# Allegro board reServer J2032_V1.brd (continued)
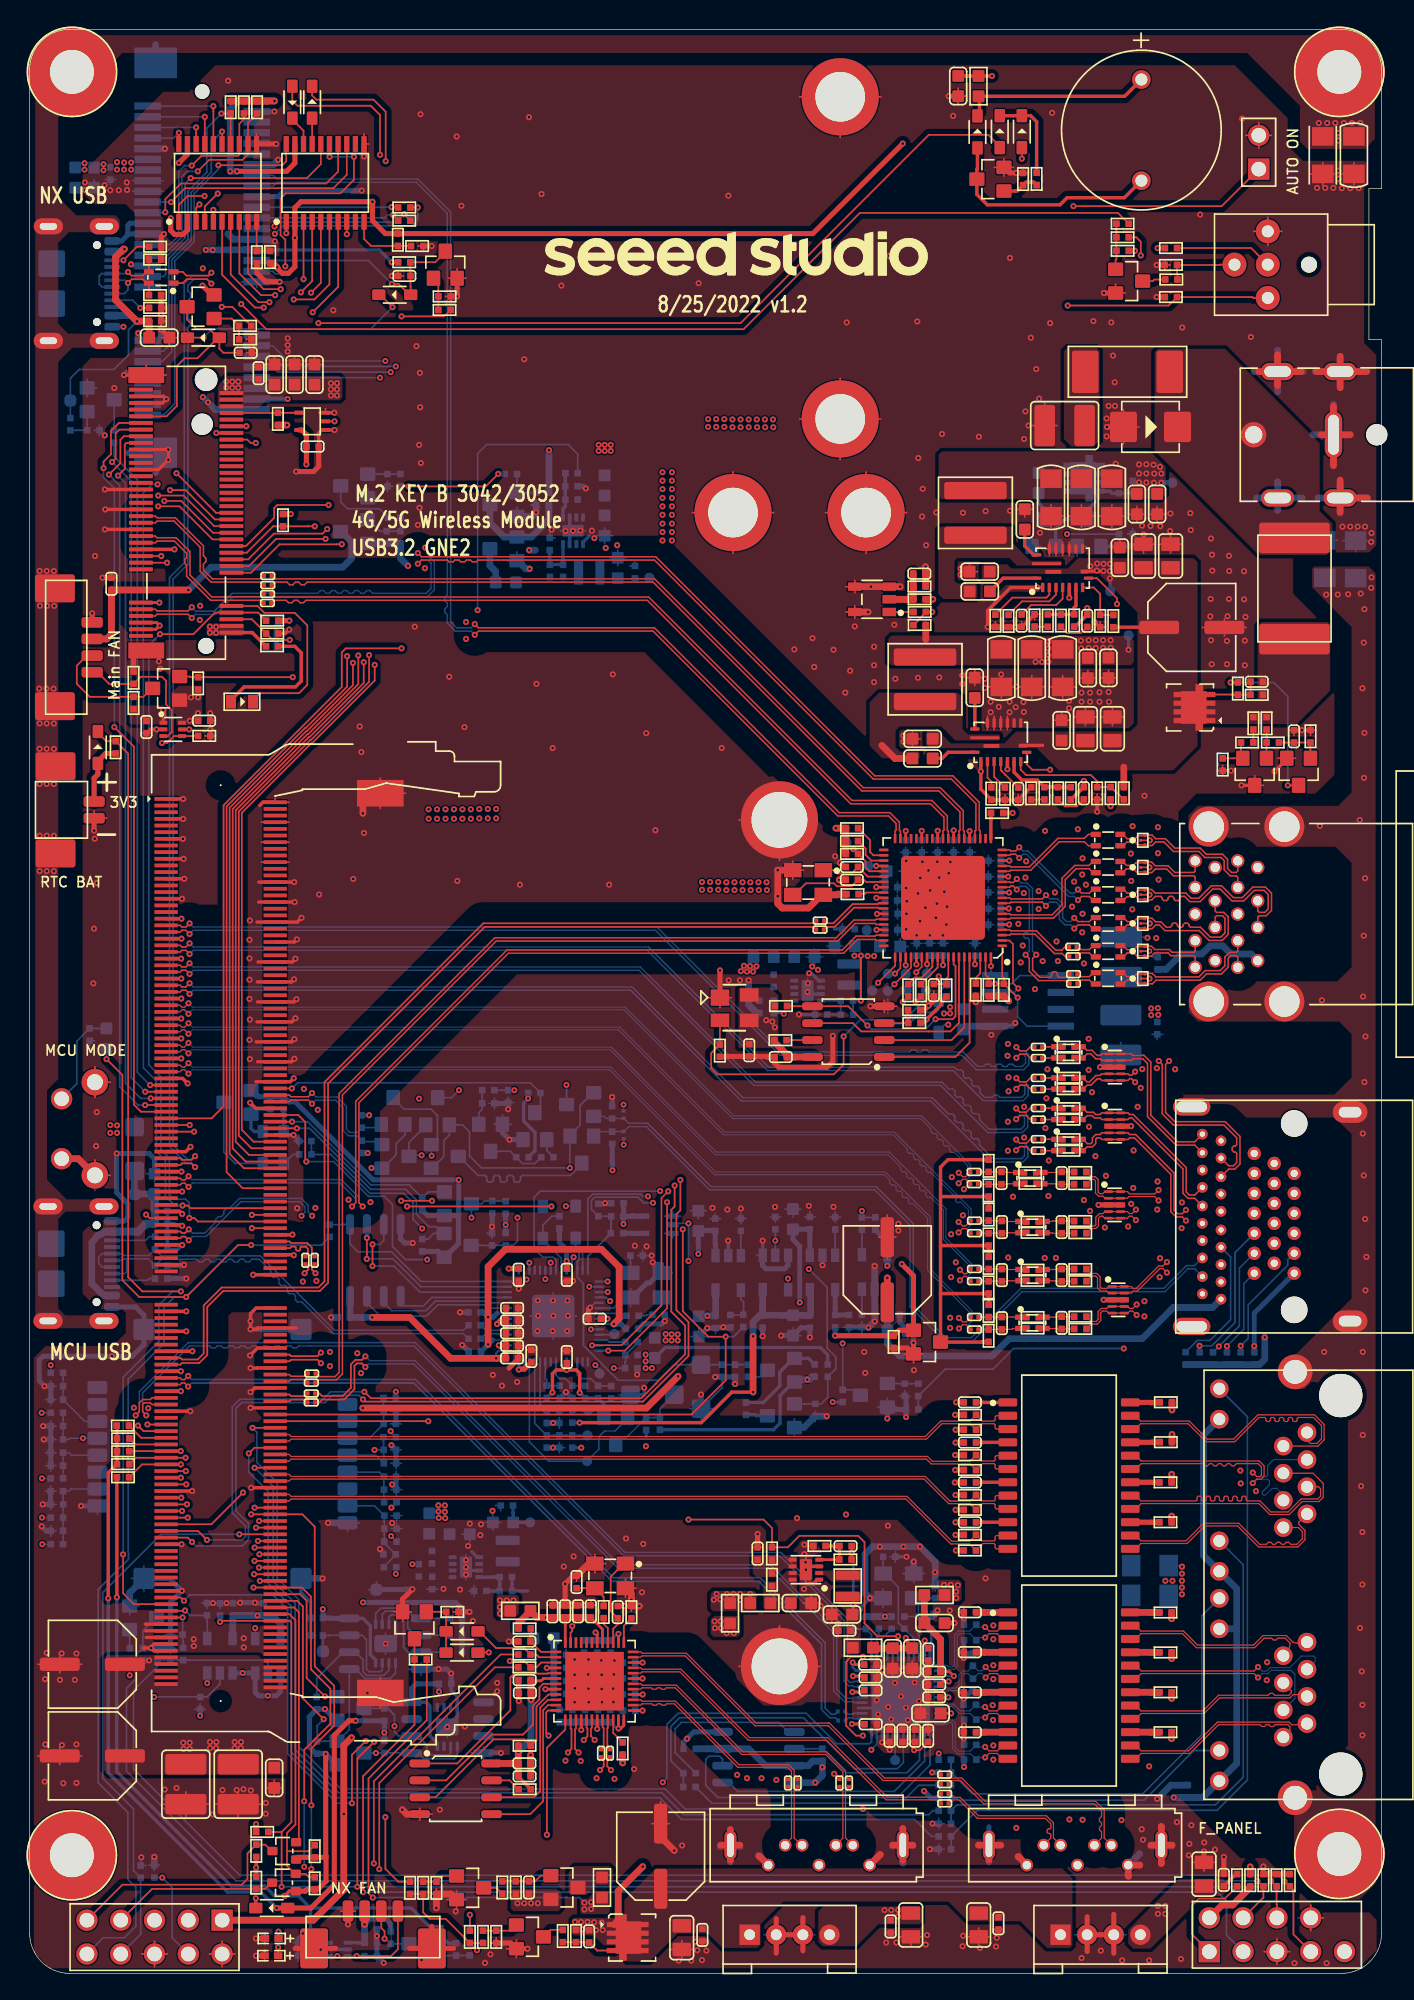
[diagram p0: board, top side]
## Routing (per net, layer and track width the routed paths; a pad name or vN(x,y) marks a point on that pad's centre or on a via; arc(x,y) is an arc through that point) (continued)
  TOP w0.127: v1(27.21,126.93) 27.72,126.93 28.54,126.12 D44.1 28.64,126.71 28.62,126.72 C252.2 28.62,127.97 28.61,127.98 R227.2 30.47,128.56 31.24,129.32 Q32.3
  BOTTOM w0.127: J16.22 25.46,128.69 v1(27.21,126.93)
PCIE_SCL_CON: length 10.9
  TOP w0.127: R228.1 27.3,132.06 v1(27.3,132.12)
  BOTTOM w0.127: J16.30 26.69,131.89 26.92,132.12 v1(27.3,132.12)
PCIE_SDA_CON: length 10.6
  TOP w0.127: R229.1 27.22,132.67 v1(27.2,132.7)
  BOTTOM w0.127: v1(27.2,132.7) 26.82,132.7 26.81,132.69 J16.32
PCIE_SIM_CLK: length 88.3
  LYR3 w0.097: v1(27.52,120.73) v1(27.52,43.71)
  BOTTOM w0.127: R235.1 27.52,43.71 v1(27.52,43.71) ; J16.12 18.25,121.49 19.01,120.73 v1(27.52,120.73)
PCIE_SIM_DIO: length 116.8
  TOP w0.127: v1(26.76,136.15) 26.76,139.86 25.84,140.77 21.54,140.77 21.23,141.09 D84.2
  LYR3 w0.097: v1(26.76,136.15) 26.76,122 27.13,121.63 v1(27.13,120.3) v1(27.13,40.73)
  BOTTOM w0.127: v1(27.13,120.3) 18.64,120.3 18.25,120.69 J16.10 ; R236.1 27.13,40.68 v1(27.13,40.73)
PCIE_SIM_RST: length 97
  LYR3 w0.121: v1(27.18,34.99) 26.73,35.44 v1(26.73,121.14)
  BOTTOM w0.121: R234.1 27.18,35.01 v1(27.18,34.99) ; J16.14 18.25,122.29 19.4,121.14 v1(26.73,121.14)
PCIE_SIM_VDD: length 125.1
  TOP w0.127: D83.1 19.74,140.7 20.13,140.32 25.64,140.32 26.33,139.62 v1(26.33,136.63)
  LYR3 w0.121: v1(26.33,136.63) v1(26.33,119.89) 26.33,33.68 v1(27.16,32.85)
  BOTTOM w0.121: J16.8 v1(26.33,119.89) ; R233.1 27.16,32.85 v1(27.16,32.85)
PCIE_SPI_CS_CON: length 7.8
  TOP w0.127: v1(13.8,140.29) 13.8,139.91 13.81,139.9 U26.16
  BOTTOM w0.127: J16.51 v1(13.8,140.29)
PCIE_SPI_MISO_CON: length 4.9
  TOP w0.127: v1(12.51,138.69) 12.51,138.24 12.51,138.24 U26.18
  BOTTOM w0.127: v1(12.51,138.69) 11.04,138.69 J16.47
PCIE_SPI_MOSI_CON: length 6.3
  TOP w0.127: v1(13.16,139.49) 13.16,138.24 13.16,138.24 U26.17
  BOTTOM w0.127: J16.49 v1(13.16,139.49)
PCIE_SPI_SCLK_CON: length 3.4
  TOP w0.127: U26.20 11.21,137.45 v1(11.21,138.28)
  BOTTOM w0.127: v1(11.21,138.28) 10.81,137.89 J16.45
PCIE_SX1262_RESET_CON: length 1.9
  TOP w0.127: D84.1 21.23,138.66 21.23,138.66 U27.17
PCIE_UART_CTS_CON: length 16.7
  TOP w0.121: R290.2 16.41,139.06 U26.12 16.41,136.66 16,136.25 13.5,136.25 v1(12.63,135.39)
  BOTTOM w0.121: v1(12.63,135.39) 11.85,135.39 11.45,134.99 11.45,130.48 10.05,129.09 J16.23
PCIE_UART_RTS_CON: length 15.7
  TOP w0.121: v1(12.18,135.82) 12.91,136.56 15.66,136.56 15.76,136.66 U26.13 15.76,138.96 16.1,139.3 R289.2
  BOTTOM w0.121: J16.25 10.53,129.89 11.21,130.56 11.21,135.39 11.64,135.82 v1(12.18,135.82)
PCIE_UART_RXD_CON: length 23.8
  TOP w0.127: U26.14 15.11,138.63 R288.2 15.1,139.73 v1(14.41,139.73)
  BOTTOM w0.127: v1(14.41,139.73) 13.32,138.64 13.32,135.32 11.9,133.9 11.9,130.29 10.45,128.84 10.45,122.28 10.05,121.89 J16.13
PCIE_UART_TXD_CON: length 21.2
  TOP w0.127: U26.15 v1(14.46,138.38)
  BOTTOM w0.127: J16.11 9.93,121.09 10.68,121.83 10.68,128.74 12.13,130.19 12.13,133.81 13.65,135.33 13.65,137.57 v1(14.46,138.38)
PCIE_W_DISABLE#CON: length 18.6
  TOP w0.127: v1(24.37,136.48) 24.37,134.75 23.35,133.74 19.24,133.74 18.86,133.36 18.86,132.26 18.86,132.01 18.86,130.6 19.21,130.25 v1(19.21,128.25) ; U27.15 22.54,137.44 v1(22.54,136.48)
  BOTTOM w0.127: v1(24.37,136.48) v1(22.54,136.48) ; v1(19.21,128.25) 19.21,127.87 19.03,127.69 18.45,127.69 18.25,127.89 J16.20
PCIE_WAKE#CON: length 28.2
  TOP w0.127: v1(14.18,135.85) 18.98,135.85 19.28,136.14 U27.20
  BOTTOM w0.121: 13.91,135.27 12.35,133.71 12.35,130.1 10.9,128.65 10.9,117.94 10.05,117.09 J16.1
  BOTTOM w0.127: v1(14.18,135.85) 14.18,135.54 13.91,135.27
PHY_AVDD33: length 60.3
  TOP w0.203: C94.1 62.6,21.14 v1(61.84,21.14) ; 64.59,17.35 64.63,17.31 v1(64.63,16.8) ; 64.59,17.35 C87.1 ; 64.59,17.35 v1(64.07,17.35) ; C93.1 66.53,17.42 v1(66.07,17.42) ; v1(61.88,22.34) 62.63,22.34 C89.1 ; v1(69.04,20.74) 68.45,20.74 C95.1
  BOTTOM w0.127: v1(64.63,16.8) 64.63,17.18 64.47,17.34 U16.33
  BOTTOM w0.203: U16.46 v1(61.88,22.34) ; U16.43 v1(61.84,21.14) ; U16.34 v1(64.07,17.35) ; U16.19 v1(69.04,20.74) ; U16.29 v1(66.07,17.42)
  BOTTOM w0.508: R98.2 63.49,26.81 63.48,26.8 R99.2 ; R98.2 63.82,26.81 R97.2 ; R98.2 v1(64.28,26.81) ; 90.71,25.86 90.71,28.9 J7.R12 88.22,31.39 88.22,40.45 J7.R10 ; 90.71,25.86 90.71,15.76 J7.L12 88.17,13.22 v1(85.99,13.22) 85.99,13.22 D65.2 ; 90.71,25.86 90.69,25.89 J7.L10 ; C103.1 50.91,16.87 50.92,16.87 U15.3 54.04,16.87 55.31,15.6 U15.7 58.51,15.6 58.85,15.95 59.56,15.95 R95.2 59.57,15.49 v1(59.57,15.49) 59.57,14.87 v1(59.04,14.33) U15.8
  vias: v1(51.47,26.45) v1(51.5,25.94) v1(51.93,26.45) v1(51.95,25.94) v1(52.38,25.56) v1(52.92,25.56)
POWER_EN: length 54.6
  TOP w0.127: J5.237 11.64,27.24 11.67,27.27 v1(11.68,27.27)
  LYR3 w0.127: v1(25.69,60.51) 24.72,59.54 20.1,59.54 19.16,58.6 19.16,29.53 18.22,28.58 12.99,28.58 v1(11.68,27.27)
  BOTTOM w0.127: v1(11.68,27.27) 12.05,26.89 R55.1 13.32,26.45 13.34,26.43 U11.4 ; v1(25.69,60.51) 26.45,60.51 Q26.1 26.53,60.49 27.54,61.5 27.54,62.34 28.2,63 Q23.1
PWR_0V95_EN: length 47.1
  TOP w0.127: v1(49.51,34.09) 55.15,34.09 55.79,33.46 R40.1 56.98,32.01 57.84,32.87 62.27,32.87 62.74,32.4 62.74,26.3 63.71,25.33 v1(65.27,25.33)
  LYR3 w0.127: v1(49.51,34.09) 45.22,38.39 45.22,50.2 43.7,51.72 43.7,51.72 v1(43.43,51.98) ; 65.24,25.33 v1(65.27,25.33)
  BOTTOM w0.127: U10.15 v1(43.43,51.98) ; U16.6 v1(65.27,25.33)
PWR_1V05_EN: length 33.1
  LYR3 w0.127: v1(56.68,72.1) 56.68,62.26 54.82,60.41 47.74,60.41 46.47,59.14 v1(46.47,58.38)
  BOTTOM w0.127: R33.1 56.63,72.14 v1(56.68,72.1) ; U10.13 41.55,54.23 41.95,54.62 41.95,58.17 42.32,58.55 45.91,58.55 46.09,58.38 v1(46.47,58.38)
PWR_1V8_EN: length 90.3
  LYR3 w0.127: v1(33.66,102.42) 32.7,102.42 28.79,98.51 28.79,55.56 29.22,55.13 29.22,53.47 29.52,53.17 30.06,53.17 31.1,54.21 41.39,54.21 42.99,52.61 42.99,51.64 v1(43.44,51.18)
  BOTTOM w0.127: R41.1 41.18,114.15 40.47,114.87 34.35,114.87 33.66,114.18 v1(33.66,102.42) ; U10.17 v1(43.44,51.18)
PWR_1V25_EN: length 35.3
  LYR3 w0.127: v1(40.88,53.81) 31.2,53.81 28.76,51.37 v1(28.76,30.74)
  BOTTOM w0.127: v1(40.88,53.81) 40.88,53.78 40.76,53.66 40.76,53.38 40.75,53.38 U10.11 ; v1(28.76,30.74) 29.24,30.74 R32.1
PWR_BTNN: length 298.7
  TOP w0.127: SW1.1 91.96,125.88 91.9,125.94 D15.2 85.6,125.31 v1(78.01,125.31) ; 18.93,10.62 18.93,10.62 v1(18.93,6.51) ; 18.93,10.62 19.67,11.36 19.67,26.34 19.52,26.49 J5.240 14.39,26.49 v1(14.31,26.41) ; 18.93,10.62 18.38,10.62 R92.2 ; v1(93.3,6.94) 93.71,6.54 D12.2 93.71,5.19 93.74,5.16 J4.6 ; v1(24.62,6.51) 24.62,16.14 v1(25.89,17.41) ; v1(39.21,57.62) v1(28.36,57.62)
  LYR3 w0.127: 28.36,57.61 28.36,20.48 25.89,18.02 v1(25.89,17.41) ; 28.36,57.61 28.36,98.64 32.55,102.83 66.73,102.83 67.66,101.89 75.48,101.89 76.54,102.95 76.54,107.91 78.01,109.38 v1(78.01,125.31) ; 28.36,57.61 v1(28.36,57.62)
  BOTTOM w0.127: D5.2 v1(39.21,57.62) ; D21.2 v1(14.31,26.41) ; v1(18.93,6.51) v1(24.62,6.51) 92.87,6.51 v1(93.3,6.94)
PWR_LED: length 5.4
  TOP w0.127: SW1.3 89.46,128.38 89.43,128.35 D14.2 86.23,127.73 86.26,127.7 R82.1
PWR_LED_CTRL: length 184.4
  TOP w0.127: J5.127 9.01,56.74 v1(8.75,57) ; v1(15.9,125.42) 17.79,123.53 53.65,123.53 62.39,132.26 81.79,132.26 R83.1
  LYR3 w0.127: v1(15.9,125.42) 15.22,124.75 12.91,124.75 9,120.83 9,113.57 10.98,111.59 10.98,109.86 9,107.88 9,107.86 8.65,107.5 8.65,68.13 9.53,67.24 9.53,64.19 8.75,63.41 v1(8.75,57) 8.75,45.35 7.52,44.12 v1(7.52,22.39)
  BOTTOM w0.127: R292.1 v1(7.52,22.39)
PWR_LED_H: length 104.5
  TOP w0.127: J4.4 92.72,5.7 D13.2 92.68,6.54 v1(92.27,6.94)
  BOTTOM w0.127: v1(92.27,6.94) 15.53,6.94 7.27,15.2 7.27,21.42 8.01,22.16 8.01,23.94 R291.2 8.51,25.75 9.48,26.72 Q41.3
PWR_LED_R: length 1.7
  TOP w0.127: Q12.3 84.41,127.14 84.53,127.26 R82.2
PWREN0: length 1.2
  TOP w0.127: U17.42 v1(63.62,83.2)
  BOTTOM w0.127: v1(63.62,83.2) 63.04,83.2 TP14.1
QSPI_CE*: length 16
  BOTTOM w0.127: U10.56 29.41,51.98 27.19,54.21 24.67,54.21 24.07,54.81 U9.1 23.58,56.27 23.57,56.26 R51.2
QSPI_SCLK: length 10.4
  BOTTOM w0.127: U9.6 26.61,50.39 27.21,49.79 29.78,49.79 30.49,50.5 34.55,50.5 34.67,50.38 U10.52
QSPI_SD0: length 8.9
  BOTTOM w0.127: U10.53 30.24,50.78 29.6,50.15 28.12,50.15 27.88,50.39 U9.5
QSPI_SD1: length 14
  TOP w0.127: v1(25.34,55.26) 25.34,54.08 25.33,54.07 v1(25.33,53.68)
  BOTTOM w0.127: U9.2 v1(25.34,55.26) ; U10.55 29.41,51.58 27.31,53.68 v1(25.33,53.68)
QSPI_SD2: length 14.7
  TOP w0.127: v1(25.77,54.77) v1(25.77,53.14)
  BOTTOM w0.127: U10.54 29.32,51.18 27.37,53.14 v1(25.77,53.14) ; v1(25.77,54.77) 26.32,54.77 26.61,55.06 U9.3
QSPI_SD3: length 11.9
  BOTTOM w0.127: U9.7 25.34,50.39 26.35,49.38 29.83,49.38 30.67,50.22 34.4,50.22 34.64,49.98 U10.51
REST: length 2.1
  BOTTOM w0.203: R101.1 67.75,24.87 67.67,24.78 U16.12
RJ45A_MX1N: length 14.4
  TOP w0.084: T1.22 83.11,25.12 83.51,25.52 86.63,25.52 87.69,24.47 92.06,24.47 92.78,25.18 93.34,25.18 93.47,25.05 93.67,25.05 93.81,25.18 94.36,25.18 94.75,24.79 94.55,24.06 J7.L2
RJ45A_MX1P: length 14.5
  TOP w0.084: T1.23 83.11,26.12 83.52,25.72 86.72,25.72 87.77,24.67 91.98,24.67 92.69,25.38 94.44,25.38 94.93,24.89 95.66,24.69 J7.L1
RJ45A_MX2N: length 16.1
  TOP w0.084: v1(92.31,22.23) 92.02,22.52 83.54,22.52 83.14,22.12 T1.19
  BOTTOM w0.084: v1(92.31,22.23) 92.61,22.52 93.06,22.52 93.31,22.77 94.8,22.77 95.09,22.48 95.09,20.66 J7.L6
RJ45A_MX2P: length 15.9
  TOP w0.084: T1.20 83.14,23.12 83.54,22.72 92.02,22.72 v1(92.31,23.02)
  BOTTOM w0.084: J7.L3 96.61,23.46 96.61,23.72 96.5,23.83 95.56,23.83 94.7,22.97 93.23,22.97 92.98,22.72 92.61,22.72 v1(92.31,23.02)
RJ45A_MX3N: length 14.1
  TOP w0.084: T1.16 83.13,19.12 83.53,19.52 88.26,19.52 89.43,20.69 94.71,20.69 94.97,20.95 95.86,20.95 J7.L5
RJ45A_MX3P: length 14
  TOP w0.084: J7.L4 94.83,21.22 94.83,21.09 94.63,20.89 93.56,20.89 93.41,21.04 93.22,21.04 93.08,20.89 89.35,20.89 88.18,19.72 83.52,19.72 83.12,20.12 T1.17
RJ45A_MX4N: length 14.3
  TOP w0.084: J7.L8 94.71,18.24 94.71,18.54 94.57,18.68 93.6,18.68 93.47,18.55 93.26,18.55 93.13,18.68 92.93,18.68 92.8,18.55 92.59,18.55 92.46,18.68 89.35,18.68 87.19,16.52 83.53,16.52 83.13,16.12 T1.13
RJ45A_MX4P: length 14.5
  TOP w0.084: T1.14 83.12,17.12 83.52,16.72 87.11,16.72 89.27,18.88 94.65,18.88 94.85,18.68 95.91,18.68 J7.L7
RJ45B_MX1N: length 20.8
  TOP w0.084: J7.R2 96.82,39.62 97.29,40.08 97.29,41.24 96.56,41.96 92.31,41.96 90.48,40.14 88.5,40.14 87.15,41.49 83.49,41.49 83.09,41.9 T2.23
RJ45B_MX1P: length 20.7
  TOP w0.084: T2.22 83.09,40.9 83.49,41.3 87.07,41.3 88.42,39.94 90.57,39.94 92.39,41.76 92.82,41.76 92.91,41.68 92.91,41.54 92.99,41.46 93.16,41.46 93.24,41.54 93.24,41.68 93.33,41.76 93.49,41.76 93.58,41.68 93.58,41.54 93.66,41.46 93.83,41.46 93.91,41.54 93.91,41.68 94,41.76 94.16,41.76 94.25,41.68 94.25,41.54 94.33,41.46 94.5,41.46 94.58,41.54 94.58,41.68 94.67,41.76 94.83,41.76 94.92,41.68 94.92,41.54 95,41.46 95.17,41.46 95.25,41.54 95.25,41.68 95.34,41.76 96.48,41.76 97.09,41.16 97.09,40.16 96.74,39.81 96.24,39.81 96,40.06 J7.R1
RJ45B_MX2N: length 17.3
  TOP w0.084: v1(91.92,36.83) 92.22,37.13 92.55,37.13 92.77,37.35 92.77,38.13 92.41,38.5 83.54,38.5 83.14,38.9 T2.20
  BOTTOM w0.084: v1(91.92,36.83) 92.22,37.13 93.04,37.13 93.17,37 93.17,36.7 92.64,36.17 92.64,36.02 92.72,35.93 92.88,35.93 93.38,36.44 93.73,36.44 94.22,35.95 J7.R6
RJ45B_MX2P: length 17.2
  TOP w0.084: T2.19 83.14,37.9 83.54,38.3 88.18,38.3 88.35,38.13 88.52,38.13 88.68,38.3 88.85,38.3 89.02,38.13 89.19,38.13 89.35,38.3 89.52,38.3 89.69,38.13 89.86,38.13 90.02,38.3 90.19,38.3 90.36,38.13 90.53,38.13 90.69,38.3 92.33,38.3 92.57,38.05 92.57,37.44 92.46,37.33 92.22,37.33 v1(91.92,37.62)
  BOTTOM w0.084: v1(91.92,37.62) 92.22,37.33 92.94,37.33 93.04,37.44 93.04,38.15 93.49,38.6 J7.R3
RJ45B_MX3N: length 20
  TOP w0.084: J7.R5 96.87,36.56 97.02,36.41 97.02,35.85 96.81,35.64 95.55,35.64 94.58,34.67 93.29,34.67 92.46,35.49 91.51,35.49 91.43,35.58 91.43,35.76 91.34,35.85 91.17,35.85 91.09,35.76 91.09,35.58 91.01,35.49 90.84,35.49 90.75,35.58 90.75,35.76 90.67,35.85 90.5,35.85 90.42,35.76 90.42,35.58 90.34,35.49 90.17,35.49 90.08,35.58 90.08,35.76 90,35.85 89.83,35.85 89.75,35.76 89.75,35.58 89.67,35.49 89.5,35.49 89.41,35.58 89.41,35.76 89.33,35.85 89.16,35.85 89.08,35.76 89.08,35.58 88.99,35.49 88.83,35.49 88.74,35.58 88.74,35.76 88.66,35.85 88.49,35.85 88.41,35.76 88.41,35.58 88.32,35.49 88.16,35.49 88.07,35.58 88.07,35.76 87.99,35.85 87.82,35.85 87.74,35.76 87.74,35.58 87.65,35.49 83.52,35.49 83.12,35.9 T2.17
RJ45B_MX3P: length 19.9
  TOP w0.084: J7.R4 96.45,37.58 97.22,36.81 97.22,35.77 96.89,35.45 95.64,35.45 94.66,34.47 93.21,34.47 92.38,35.3 83.53,35.3 83.13,34.9 T2.16
RJ45B_MX4N: length 17
  TOP w0.084: J7.R8 95.35,33.5 95.65,33.2 95.65,32.65 95.23,32.23 94.77,32.23 94.62,32.39 94.44,32.39 94.28,32.23 94.1,32.23 93.95,32.39 93.77,32.39 93.61,32.23 93.43,32.23 93.28,32.39 93.1,32.39 92.94,32.23 92.45,32.23 90.87,33.81 88.22,33.81 86.9,32.49 83.52,32.49 83.12,32.9 T2.14
RJ45B_MX4P: length 17.1
  TOP w0.084: T2.13 83.1,31.9 83.51,32.3 86.99,32.3 88.31,33.62 90.78,33.62 92.36,32.04 95.31,32.04 95.84,32.57 95.84,33.28 95.38,33.74 95.38,33.9 J7.R7
RTL_SPI_SCK: length 12.6
  BOTTOM w0.127: U15.6 58.44,16.87 58.44,16.88 R95.1 61.38,15.07 65.92,15.07 66.87,16.02 66.87,16.94 66.87,16.94 U16.27
RTL_SPI_SI: length 13.4
  BOTTOM w0.127: R96.2 48.51,16.59 48.51,18.38 48.98,18.85 56.29,18.85 57,18.14 U15.5
RTL_SPI_SO: length 24.5
  BOTTOM w0.127: U16.25 67.67,15.65 65.23,13.22 51.72,13.22 50.81,14.13 50.81,16.09 51.04,16.31 51.85,16.31 52.07,16.09 U15.2
RUN: length 2
  BOTTOM w0.127: U10.26 43.22,47.58 43.22,47.58 43.42,47.58 43.56,47.44 FB14.1
S_RXN0: length 4.8
  TOP w0.084: C184.2 57.45,13.77 57.45,10.17 57.99,9.63 J10.R-
S_RXN1: length 10.7
  TOP w0.084: J12.R- 76.94,10.17 76.94,11.31 76.41,11.84 71.31,11.84 69.92,13.23 69.31,13.23 C192.2 69.05,13.47
S_RXP0: length 4.7
  TOP w0.084: J10.R+ 56.78,9.69 57.25,10.17 57.25,13.77 C185.2
S_RXP1: length 10.7
  TOP w0.084: J12.R+ 76.75,10.17 76.75,10.43 76.66,10.52 76.55,10.52 76.46,10.6 76.46,10.77 76.55,10.85 76.66,10.85 76.75,10.93 76.75,11.23 76.33,11.65 71.23,11.65 69.84,13.03 69.31,13.03 C193.2
S_TXN0: length 4.7
  TOP w0.084: J10.T- 61.12,10.16 61.12,13.77 C183.2
S_TXN1: length 15.6
  TOP w0.084: J12.T- 80.56,10.17 80.56,10.63 80.4,10.78 80.4,10.96 80.56,11.12 80.56,11.3 80.4,11.45 80.4,11.63 80.56,11.79 80.56,12.2 80.01,12.74 71.71,12.74 69.97,14.48 69.31,14.48 C191.2
S_TXP0: length 4.7
  TOP w0.084: C182.2 61.31,13.77 61.31,10.18 J10.T+
S_TXP1: length 15.7
  TOP w0.084: 69.05,14.91 C190.2 69.31,14.68 70.05,14.68 71.79,12.94 80.1,12.94 80.75,12.28 80.75,10.17 J12.T+
SATA_1V25: length 25.8
  TOP w0.203: U21.8 v1(38.76,21.35) ; U21.19 v1(42.65,18.37) ; v1(46.06,22.16) 45.36,22.16 U21.31 ; U21.38 v1(44.25,25.51) ; v1(46.06,19.74) 45.36,19.74 U21.25 ; U21.28 v1(46.07,20.95) ; U21.24 44.65,18.63 44.42,18.4 v1(44.25,18.4) U21.23 ; U21.34 v1(46.06,23.35) ; v1(42.53,25.61) 42.65,25.49 U21.42 ; U21.16 v1(41.45,18.29) ; U21.4 v1(38.86,22.95)
  BOTTOM w0.203: C152.1 44.15,25.51 v1(44.25,25.51) ; C165.1 v1(46.06,19.74) ; C160.1 41.45,18.58 v1(41.45,18.29) ; v1(38.76,21.35) 39.05,21.35 C166.1 ; v1(46.07,20.95) C153.1 ; v1(38.86,22.95) 39.38,22.95 C155.1 ; v1(44.25,18.4) 44.13,18.4 C157.1 ; v1(42.65,18.37) 42.65,18.82 C151.1 ; C163.1 45.51,23.35 v1(46.06,23.35) ; C156.1 v1(46.06,22.16) ; v1(42.53,25.61) 42.66,25.48 C164.1
  BOTTOM w0.254: FB9.2 39.39,25.17
  BOTTOM w0.508: 39.39,25.17 C161.1 39.39,22.95 C155.1 39.39,21.98 C158.1 39.39,21.97 C166.1 ; C152.1 43.65,25.01 C164.1 42.65,25.02 C162.1 ; C157.1 43.64,18.87 C151.1 42.69,18.87 C160.1 41.71,18.9 41.22,18.9 41.19,18.87 C154.1 40.79,18.87 C159.1
SATA_3V3: length 30.8
  TOP w0.203: C172.1 40.24,26.26 40.25,26.25 U21.48 ; C173.1 43.05,25.86 U21.41 ; 37.68,21.98 38.44,21.98 38.61,22.15 U21.6
  TOP w0.254: R265.1 36.73,14.76 C168.1
  TOP w0.508: C168.1 36.72,14.82 C174.1 ; U20.8 36.08,15.77 36.09,15.78 C174.1 ; R131.1 36.73,16.64 ; 36.73,16.64 v1(36.73,16.64) ; 36.73,16.64 36.72,16.64 C174.1 ; C170.1 v1(38.81,26.74) 38.13,26.74 FB10.2 37.63,27.15 37.56,27.15 36.74,26.32 R134.2 ; C170.1 39.29,26.74 C172.1 40.24,26.74 C171.1 41.21,26.74 C173.1 ; C170.1 39.27,26.75 ; C167.1 37.66,22 37.68,21.98 C169.1 37.68,21.07 v1(37.68,20.56)
  LYR3 w0.508: v1(37.68,20.56) 37.68,25.61 v1(38.81,26.74) 38.86,26.74
  BOTTOM w0.508: v1(36.73,16.64) 37.68,17.59 v1(37.68,20.56)
SATA_5V: length 37.3
  TOP w0.127: v1(25.79,5.7) 25.46,6.02 25.46,14.64 29.85,19.02 R84.1
  TOP w0.254: C197.1 90.65,7.46 R78.1
  BOTTOM w0.127: v1(25.79,5.7) 41.31,5.7 v1(41.69,5.32)
  vias: v1(41.69,4.81) v1(42.2,5.34) v1(42.2,4.83) v1(64.25,4.76) v1(64.75,4.76) v1(65.26,4.76) v1(65.26,4.27) v1(84.79,5.06) v1(84.79,4.48) v1(85.35,5.06) v1(85.35,4.48)
SATA_PWREN: length 7.8
  TOP w0.127: R140.2 R145.1 29.57,4.58 30.06,4.1 31.27,4.1 R142.2 R144.1
SATA_PWREN1: length 45.1
  TOP w0.127: U21.47 40.65,25.59 40.78,25.71 v1(40.78,26.09) ; R140.1 27.7,6.89 26.73,7.86 v1(26.73,11.74)
  LYR3 w0.127: v1(26.73,11.74) 43.09,11.74 46.77,15.42 46.77,25.15 45.83,26.09 v1(40.78,26.09)
SATA_PWREN2: length 61.1
  TOP w0.127: R142.1 v1(33.08,4.4)
  LYR3 w0.127: 43.62,50.5 v1(43.62,50.51) 44.94,49.19 44.94,38.28 48.96,34.27 48.96,13.27 44,8.31 38.59,8.31 34.68,4.4 v1(33.08,4.4)
  BOTTOM w0.127: v1(43.62,50.51) 43.34,50.78 U10.18
SATA_RXN0: length 15.1
  TOP w0.084: U21.27 45.92,20.55 46.02,20.45 48.53,20.45 53.3,15.68 57.04,15.68 57.45,15.26 57.45,14.84 C184.1
SATA_RXN1: length 27.3
  TOP w0.084: C192.1 68.24,13.24 64.45,13.24 59.98,17.71 54.09,17.71 48.95,22.85 46.02,22.85 45.92,22.95 U21.33
SATA_RXP0: length 14.9
  TOP w0.084: U21.26 45.92,20.15 46.02,20.25 46.75,20.25 46.86,20.15 47.09,20.15 47.19,20.25 47.42,20.25 47.53,20.15 47.76,20.15 47.86,20.25 48.44,20.25 53.22,15.48 56.95,15.48 57.25,15.18 57.25,14.84 C185.1
SATA_RXP1: length 27.3
  TOP w0.084: C193.1 68.23,13.04 64.37,13.04 59.9,17.51 54.01,17.51 48.87,22.65 46.02,22.65 45.92,22.55 U21.32
SATA_TXN0: length 19.3
  TOP w0.084: U21.29 45.92,21.35 46.02,21.45 46.72,21.45 46.83,21.34 47.06,21.34 47.17,21.45 47.39,21.45 47.5,21.34 47.73,21.34 47.84,21.45 48.51,21.45 53.52,16.45 59.82,16.45 61.12,15.15 61.12,14.84 C183.1
SATA_TXN1: length 27.2
  TOP w0.084: C191.1 68.49,14.24 68.25,14.49 64.14,14.49 60.02,18.6 59.94,18.6 54.51,18.61 49.26,23.85 46.02,23.85 45.92,23.75 U21.35
SATA_TXP0: length 19.4
  TOP w0.084: C182.1 61.31,14.84 61.31,15.23 59.9,16.64 53.6,16.64 48.6,21.65 46.02,21.65 45.92,21.75 U21.30
SATA_TXP1: length 27.2
  TOP w0.084: C190.1 68.24,14.68 64.23,14.68 60.11,18.8 60.02,18.8 54.6,18.8 49.35,24.05 46.02,24.05 45.92,24.15 U21.36
SHUTDOWN_REQN: length 171.9
  TOP w0.127: R8.2 66.47,101.3 66.79,101.67 R274.2 67.36,102.29 v1(67.83,102.29) ; v1(27.92,58.05) v1(30.24,58.05) ; v1(24.22,12.78) 24.22,16.42 v1(25.26,17.46) ; J5.233 11.35,28.24 v1(11.59,28)
  LYR3 w0.127: v1(30.24,58.05) 39.89,58.05 v1(40.29,57.64) ; v1(25.26,17.46) 25.26,17.96 27.92,20.62 v1(27.92,58.05) 27.92,98.81 32.37,103.26 66.87,103.26 v1(67.83,102.29)
  BOTTOM w0.127: v1(24.22,12.78) 23.1,12.78 19.39,16.49 19.39,27.31 18.27,28.43 12.02,28.43 v1(11.59,28) ; D6.2 v1(40.29,57.64)
SNN_DP_CEC: length 10.1
  BOTTOM w0.127: R208.1 87.52,47.31 87.52,47.32 87.75,47.55 88.7,47.55 90.26,49.11 90.26,53.83 J13.B14
SPI0_CS1: length 75.9
  TOP w0.127: J5.97 13.67,64.24 14.57,65.14 14.57,87.76 23.45,96.65 23.45,99.24 23.76,99.55 v1(27.95,99.55) ; v1(27.95,124.49) 31.16,124.49 R230.2
  LYR3 w0.127: v1(27.95,99.55) v1(27.95,124.49)
SPI1_CS0: length 89.2
  TOP w0.127: v1(13.8,132.49) 13.8,131.6 U26.5 ; v1(24.7,99.02) 24.7,96.87 20.93,93.1 20.87,93.1 15.26,87.48 15.26,61.98 16.24,60.99 J5.110
  LYR3 w0.127: v1(24.7,99.02) 24.7,131.35 23.56,132.49 v1(13.8,132.49)
SPI1_CS1: length 78
  TOP w0.127: v1(24.29,98.46) 24.29,96.79 20.83,93.33 20.78,93.33 15.03,87.57 15.03,61.57 16.11,60.49 J5.112 ; v1(23.83,130.67) 23.83,130.8 23.83,130.81 U27.8
  LYR3 w0.127: v1(24.29,98.46) 24.29,130.21 v1(23.83,130.67)
SPI1_MISO: length 90.9
  TOP w0.127: v1(25.1,98.51) 25.1,96.95 21.02,92.87 20.97,92.87 15.48,87.38 15.48,62.48 16.48,61.49 J5.108 ; U26.3 12.51,132.65 12.75,132.89 v1(12.75,132.9)
  LYR3 w0.127: v1(12.75,132.9) 23.94,132.9 25.1,131.73 v1(25.1,98.51)
SPI1_MOSI: length 90.8
  TOP w0.127: J5.104 16.83,62.49 15.94,63.37 15.94,87.2 21.16,92.41 21.21,92.41 25.93,97.13 v1(25.93,98.31) ; v1(14.13,133.72) 13.16,132.74 U26.4
  LYR3 w0.127: v1(25.93,98.31) 25.93,119.72 25.93,119.72 25.93,132.23 24.44,133.72 v1(14.13,133.72)
SPI1_SCK: length 92.7
  TOP w0.127: v1(13.14,133.53) 11.87,133.53 11.21,132.87 U26.1 ; J5.106 16.67,61.99 15.71,62.94 15.71,87.29 21.06,92.64 21.12,92.64 25.51,97.03 v1(25.51,99.04)
  LYR3 w0.127: v1(25.51,99.04) 25.51,131.94 24.18,133.27 13.41,133.27 v1(13.14,133.53)
SPICS: length 18.5
  BOTTOM w0.127: U16.26 67.27,15.96 64.98,13.67 53.21,13.67 52.55,14.33 U15.1
SSREXT: length 1.9
  TOP w0.121: R126.1 62.74,81.08 62.86,81.2 U17.47
SSXI: length 5.1
  TOP w0.127: U17.44 62.98,82.4 C122.1 61.77,82.64 61.01,82.64 61.01,82.63 60.75,82.63 60.5,82.88 X3.1
SSXO: length 7.6
  TOP w0.127: X3.3 57.47,81.03 58.34,81.9 60.45,81.9 60.68,81.67 61.76,81.67 C121.1 62.69,82.16 62.85,82 63.45,82 63.46,82.01 64.19,82.01 U17.45
SUSCLK_32KHZ: length 86.9
  TOP w0.127: v1(22.92,116.61) U14.2 ; J5.210 v1(17.25,33.99)
  LYR3 w0.127: v1(17.25,33.99) 17.36,34.1 17.36,82.71 21.83,87.18 21.83,112.15 22.49,112.81 22.49,116.18 v1(22.92,116.61)
SYS_3V3_EN: length 320.1
  TOP w0.121: v1(42.27,47.18) 42.64,47.18 42.65,47.2 44.48,47.2 47.48,50.2 47.48,58.25 v1(47.99,58.76)
  TOP w0.127: v1(35.21,112.66) 34.27,111.72 v1(28.48,111.72) ; v1(13.07,122.89) D43.2 ; D44.2 26.34,126.12 v1(27.27,125.18)
  LYR3 w0.121: v1(69.04,71.28) 69.89,71.28
  LYR3 w0.127: v1(13.07,122.89) 11.62,122.89 9.38,120.66 9.38,113.72 11.24,111.87 11.24,109.48 9.05,107.3 9.05,68.31 9.86,67.49 9.86,64.02 9.31,63.46 9.31,27.48 10.86,25.94 v1(16.95,25.94) 16.95,14.26 19.9,11.31 43.27,11.31 47.2,15.25 47.2,33.61 43.14,37.68 43.14,46.31 v1(42.27,47.18) ; v1(47.99,58.76) 62.34,58.76 69.89,66.3 69.89,73.72 71.59,75.42 71.59,86.39 77.17,91.98 77.17,107.35 v1(77.96,108.13) ; v1(28.48,111.72) 28.48,124.75 28.05,125.18 v1(27.27,125.18)
  BOTTOM w0.121: U10.27 v1(42.27,47.18) ; v1(69.04,71.28) 68.77,71.28 68.32,70.83 D62.2
  BOTTOM w0.127: v1(28.48,111.72) 28.47,111.73 R295.1 ; U12.4 v1(16.95,25.94) ; R28.1 78.39,108.14 78.39,108.13 v1(77.96,108.13) ; v1(27.27,125.18) 25.64,123.55 13.73,123.55 v1(13.07,122.89) ; v1(35.21,112.66) 35.7,112.66 R48.1 ; 42.81,47.19 U10.27
SYS_5V_EN: length 77.5
  TOP w0.127: R13.1 v1(81.24,87.69)
  LYR3 w0.127: v1(47.38,58.78) 47.38,56.75 48.65,55.48 61.94,55.48 71.84,65.39 71.84,71.95 73.59,73.7 73.59,78.16 73.19,78.57 73.19,84.89 75.98,87.69 v1(81.24,87.69)
  BOTTOM w0.127: v1(47.38,58.78) 38.39,58.78 37.91,58.3 37.91,54.46 38.57,53.8 39.33,53.8 39.55,53.58 39.55,53.56 39.56,53.56 39.56,53.23 39.55,53.22 U10.8
SYS_RSTN: length 114.1
  TOP w0.127: J4.7 94.98,2.93 94.98,6.26 D11.2 94.32,6.92 v1(94.3,6.92)
  BOTTOM w0.127: U12.2 17.9,23.27 17.63,23.54 11.99,23.54 11.98,23.53 R253.2 11.1,23.53 11.08,23.51 D19.2 10.06,23.51 10.05,23.52 R60.1 9.61,23.08 7.81,21.27 7.81,15.35 15.78,7.37 93.85,7.37 v1(94.3,6.92)
T_HUB_USB1_DM: length 12.2
  TOP w0.109: J8.11 89.09,79.35 89.2,79.46 89.64,79.46 89.83,79.28 89.83,78.16 89.52,77.85 88.73,77.85 87.99,78.59 87.25,78.59 87.14,78.7 87.14,78.79 87.03,78.9 86.81,78.9 86.7,78.79 86.7,78.7 86.59,78.59 86.37,78.59 86.26,78.7 86.26,78.79 86.15,78.9 85.94,78.9 85.83,78.79 85.83,78.7 85.72,78.59 85.43,78.59 85.02,79 84.62,79 84.35,79.27 83.91,79.27 83.86,79.22 D26.3 83.18,79.22 82.98,79.02 82.73,79.02 82.73,79.02 82.49,79.02 82.19,79.32 L7.2
T_HUB_USB1_DP: length 12.4
  TOP w0.109: L7.3 82.18,78.47 82.48,78.77 82.99,78.77 83.22,78.54 D26.2 83.86,78.54 83.91,78.49 84.35,78.49 84.62,78.76 84.92,78.76 85.33,78.35 87.89,78.35 88.63,77.6 89.62,77.6 90.08,78.06 90.08,79.38 89.75,79.71 89.2,79.71 89.09,79.82 J8.12
T_USBA1_SS_RX_N: length 7
  TOP w0.109: J8.14 87.59,82.82 87.49,82.71 86.06,82.71 85.56,83.22 84.6,83.22 84.32,83.49 83.96,83.49 83.91,83.44 D27.3 83.13,83.44 82.94,83.24 82.43,83.24 82.14,83.54 L8.2
T_USBA1_SS_RX_P: length 7
  TOP w0.109: J8.15 87.59,82.35 87.49,82.46 85.96,82.46 85.45,82.97 84.59,82.97 84.32,82.7 83.96,82.7 83.91,82.76 D27.2 83.18,82.76 82.94,82.99 82.44,82.99 82.13,82.69 L8.3
T_USBA1_SS_TX_N: length 6.9
  TOP w0.109: L9.2 82.19,77.22 82.49,76.92 82.99,76.92 83.21,77.14 D28.3 83.93,77.14 83.96,77.17 84.31,77.17 84.56,76.92 85.65,76.92 85.87,76.71 87.49,76.71 87.59,76.82 J8.17
T_USBA1_SS_TX_P: length 6.8
  TOP w0.109: L9.3 82.18,76.37 82.48,76.67 82.99,76.67 83.19,76.46 D28.2 83.94,76.46 83.97,76.43 84,76.43 84.01,76.43 84.31,76.43 84.56,76.67 85.55,76.67 85.76,76.46 87.49,76.46 87.59,76.35 J8.18
TESTEN: length 2.1
  TOP w0.121: R125.1 71.11,74.8 71.44,75.14 U17.74
TYPEC_DN: length 5.8
  TOP w0.127: D54.2 8.96,126.6 8.96,126.6 L22.2 8.79,126.99 8.5,127.28 7.66,127.28 v1(7.39,127)
  BOTTOM w0.127: J18.B7 7.11,126.21 7.39,126.49 v1(7.39,127) 7.19,127.21 J18.A7
TYPEC_DP: length 6.7
  TOP w0.127: D53.2 8.96,128.23 L22.3 8.77,127.84 8.48,127.55 7.66,127.55 v1(7.39,127.82)
  BOTTOM w0.127: v1(7.39,127.82) 7.27,127.71 J18.B6 5.42,127.71 5.35,127.64 5.34,127.64 5.22,127.52 5.22,126.91 5.42,126.71 J18.A6
